# EAGLE board Mk4 Final a Panel score (EAGLE 9.0.1), part 14 of 24 (continued)
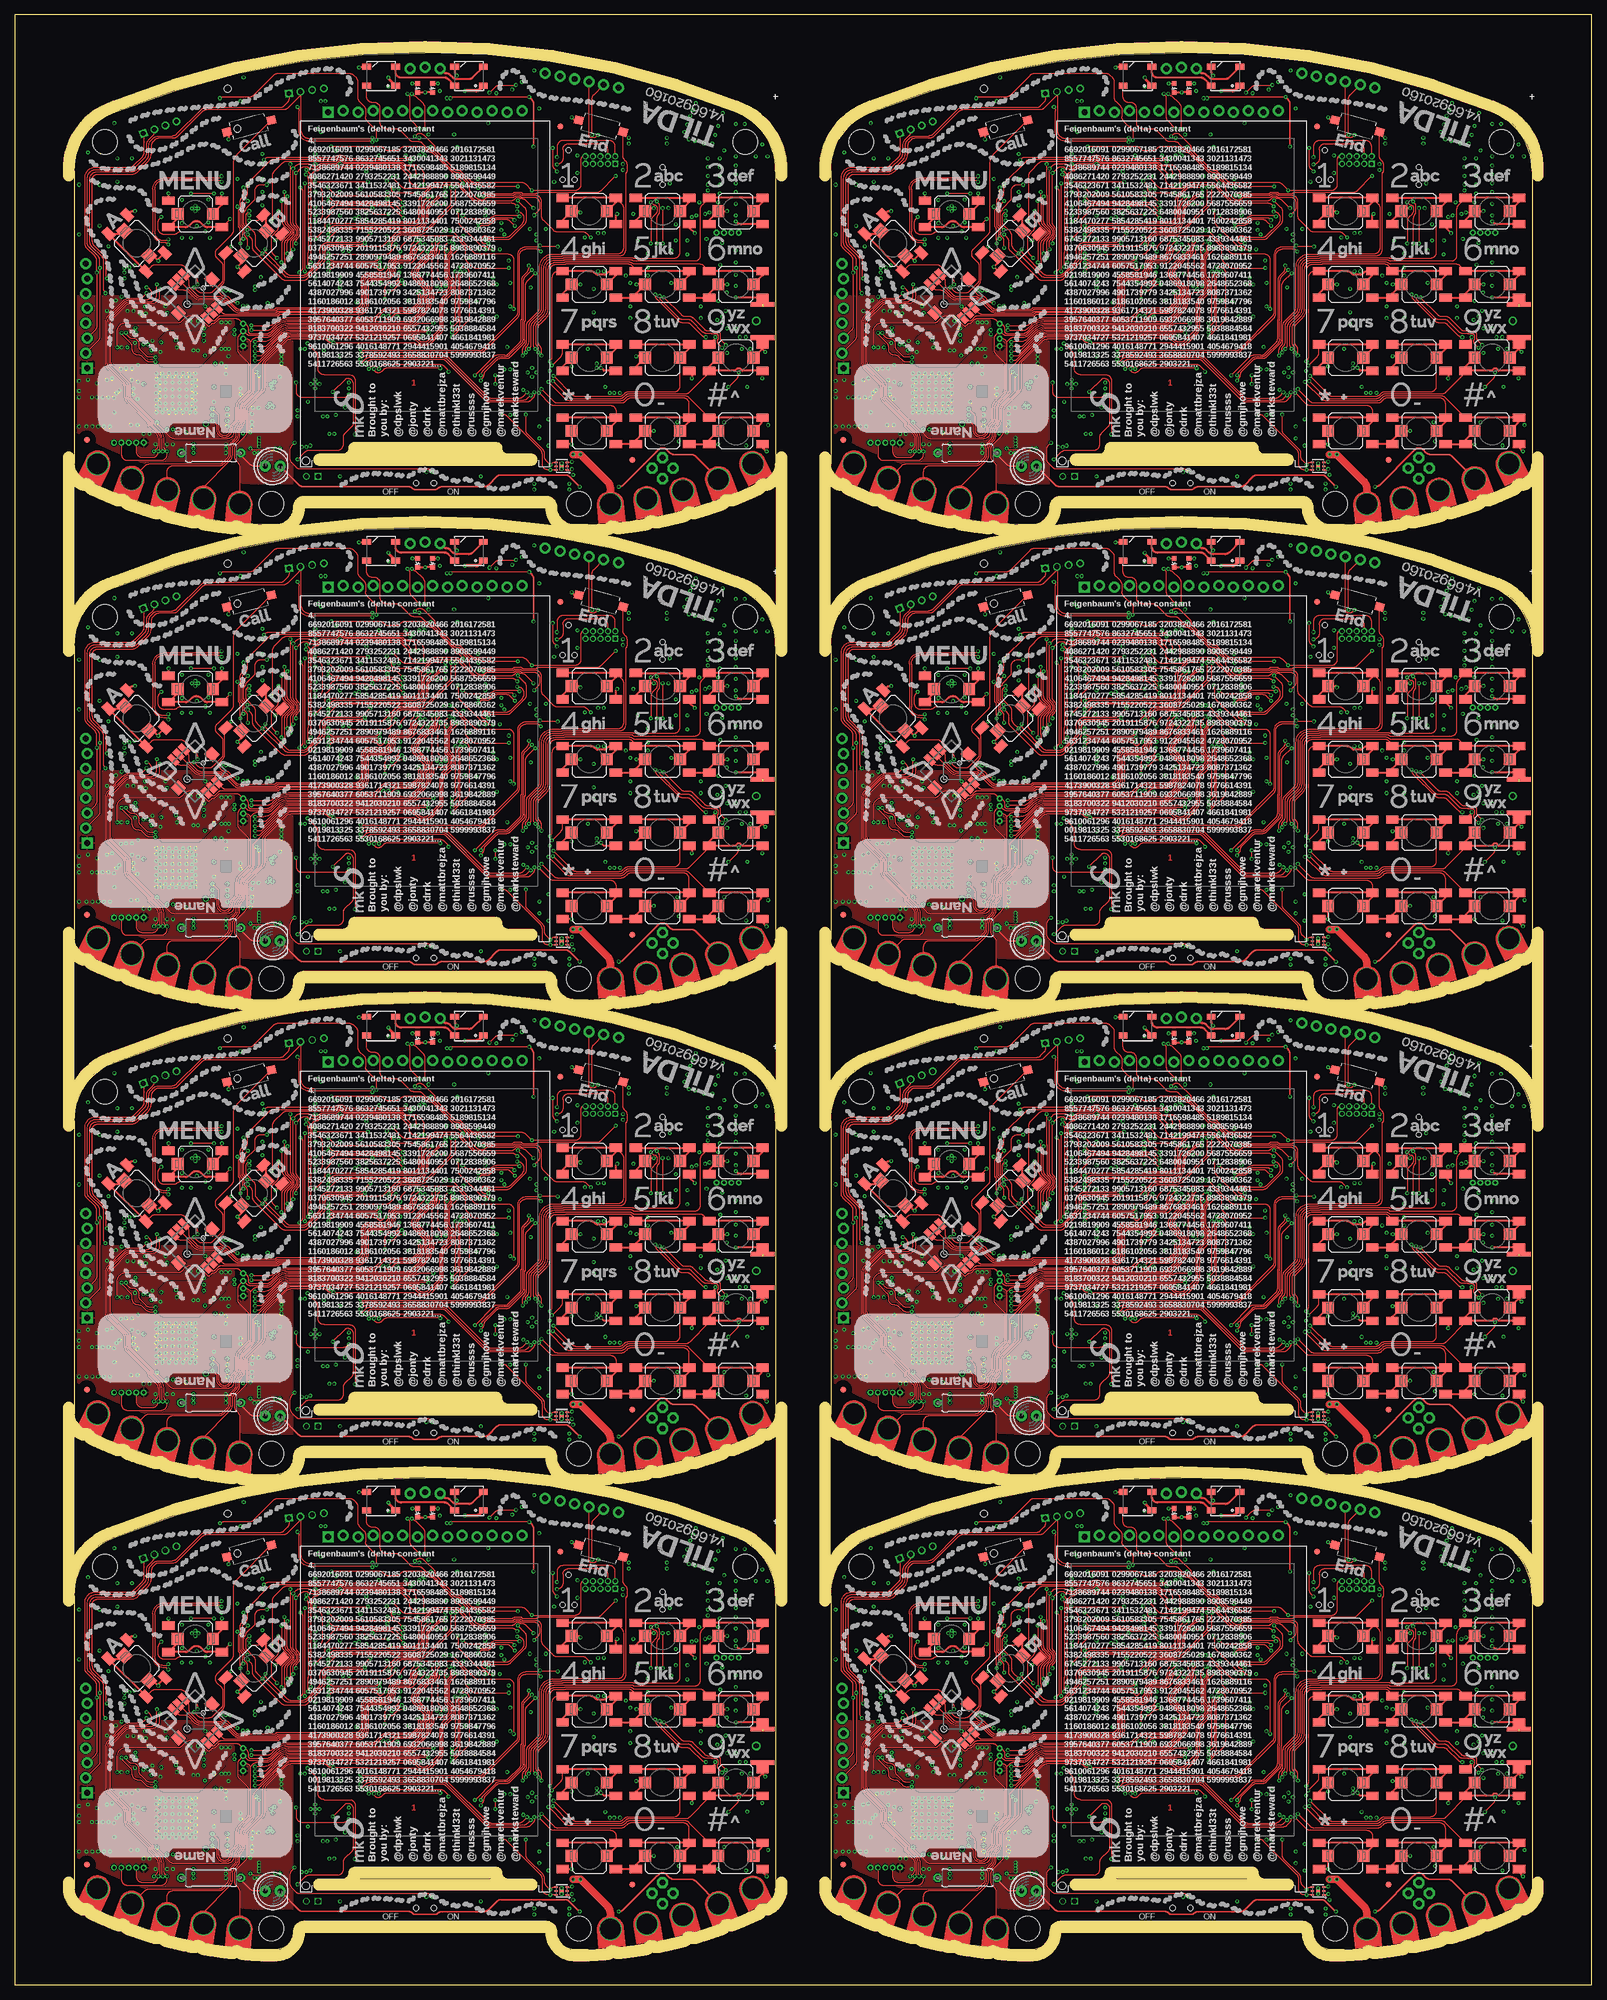
[diagram p0: board, top side]
## Tracks (layer width: path | path; a pad name or v marks a point on that pad's centre or on a via) (continued)
  Bottom 0.15: IC92.73 196,225.21 arc45 196.29,224.51 197.71,223.09 arc-45 198,222.39 198,218.11 arc45 198.29,217.41 198.51,217.19 arc-45 198.8,216.49 arc-45 198.74,216.34 v198.2,215.8
JOY_LEFT6  (via drill 0.3)
  Top 0.15: SW7.C 27.65,289.35 arc45 28.35,289.06 28.86,289.06 arc-45 29.56,288.76 30.53,287.8 arc45 31.59,287.36 34.67,287.36 arc-45 35.02,287.21 35.04,287.2 arc45 35.39,287.05 35.65,287.05 arc-45 36.01,286.9 37.3,285.61 arc45 38.36,285.18 44.44,285.18 arc45 44.83,285.34 44.87,285.38 arc-45 45.05,285.45 58.39,285.45 arc90 59.75,286.81 59.75,290.46 arc-90 60.69,291.4 62.9,291.4 arc90 64.4,292.9 64.4,293.3 arc-90 65.4,294.3 67.04,294.3 arc45 67.39,294.45 68.05,295.11 arc45 68.2,295.46 68.2,295.59 arc-45 68.35,295.95 v69.2,296.8
  Bottom 0.15: IC110.73 67,306.21 arc45 67.29,305.51 68.71,304.09 arc-45 69,303.39 69,299.11 arc45 69.29,298.41 69.51,298.19 arc-45 69.8,297.49 arc-45 69.74,297.34 v69.2,296.8
JOY_LEFT7  (via drill 0.3)
  Top 0.15: SW8.C 156.65,289.35 arc45 157.36,289.06 157.86,289.06 arc-45 158.56,288.76 159.53,287.8 arc45 160.59,287.36 163.67,287.36 arc-45 164.02,287.21 164.04,287.2 arc45 164.39,287.05 164.65,287.05 arc-45 165,286.9 166.3,285.61 arc45 167.36,285.18 173.44,285.18 arc45 173.83,285.34 173.87,285.38 arc-45 174.05,285.45 187.39,285.45 arc90 188.75,286.81 188.75,290.46 arc-90 189.69,291.4 191.9,291.4 arc90 193.4,292.9 193.4,293.3 arc-90 194.4,294.3 196.04,294.3 arc45 196.39,294.45 197.05,295.11 arc45 197.2,295.46 197.2,295.59 arc-45 197.35,295.95 v198.2,296.8
  Bottom 0.15: IC128.73 196,306.21 arc45 196.29,305.51 197.71,304.09 arc-45 198,303.39 198,299.11 arc45 198.29,298.41 198.51,298.19 arc-45 198.8,297.49 arc-45 198.74,297.34 v198.2,296.8
JOY_RIGHT  (via drill 0.3)
  Top 0.15: v69.2,53 69.08,53 arc45 68.73,52.85 68.65,52.77 arc45 68.5,52.42 68.5,52.33 arc-45 68.35,51.98 67.52,51.15 arc-45 67.17,51 65.45,51 arc90 64.7,50.25 64.7,49.85 arc-90 62.95,48.1 60.8,48.1 arc90 60.05,47.35 60.05,43.69 arc-90 58.51,42.15 45.17,42.15 arc45 44.99,42.08 44.86,41.95 arc-45 44.69,41.88 35.94,41.88 arc-45 35.58,42.02 SW1.B | v72,60.6 arc-45 72.24,60.7 v73.3,60.7
  Bottom 0.15: v72,60.6 70.6,60.6 arc90 69.6,59.6 69.6,56.41 arc45 69.89,55.71 70.31,55.29 arc-45 70.6,54.59 70.6,54 arc-90 69.6,53 v69.2,53 | IC1.91 74.2,65.79 74.28,65.72 74.28,65.47 arc-90 73.78,64.97 73.47,64.97 arc90 72.97,64.47 72.97,61.44 arc45 73.27,60.73 v73.3,60.7
JOY_RIGHT1  (via drill 0.3)
  Top 0.15: v198.2,53 198.08,53 arc45 197.73,52.85 197.65,52.77 arc45 197.5,52.42 197.5,52.33 arc-45 197.35,51.98 196.52,51.15 arc-45 196.17,51 194.45,51 arc90 193.7,50.25 193.7,49.85 arc-90 191.95,48.1 189.8,48.1 arc90 189.05,47.35 189.05,43.69 arc-90 187.51,42.15 174.17,42.15 arc45 173.99,42.08 173.86,41.95 arc-45 173.69,41.88 164.94,41.88 arc-45 164.58,42.02 SW2.B | v201,60.6 arc-45 201.24,60.7 v202.3,60.7
  Bottom 0.15: v201,60.6 199.6,60.6 arc90 198.6,59.6 198.6,56.41 arc45 198.89,55.71 199.31,55.29 arc-45 199.6,54.59 199.6,54 arc-90 198.6,53 v198.2,53 | IC20.91 203.2,65.79 203.28,65.72 203.28,65.47 arc-90 202.78,64.97 202.47,64.97 arc90 201.97,64.47 201.97,61.44 arc45 202.27,60.73 v202.3,60.7
JOY_RIGHT2  (via drill 0.3)
  Top 0.15: v69.2,134 69.08,134 arc45 68.73,133.85 68.65,133.77 arc45 68.5,133.42 68.5,133.33 arc-45 68.35,132.98 67.52,132.15 arc-45 67.17,132 65.45,132 arc90 64.7,131.25 64.7,130.85 arc-90 62.95,129.1 60.8,129.1 arc90 60.05,128.35 60.05,124.69 arc-90 58.51,123.15 45.17,123.15 arc45 44.99,123.08 44.86,122.95 arc-45 44.69,122.88 35.94,122.88 arc-45 35.58,123.02 SW3.B | v72,141.6 arc-45 72.24,141.7 v73.3,141.7
  Bottom 0.15: v72,141.6 70.6,141.6 arc90 69.6,140.6 69.6,137.41 arc45 69.89,136.71 70.31,136.29 arc-45 70.6,135.59 70.6,135 arc-90 69.6,134 v69.2,134 | IC38.91 74.2,146.79 74.28,146.72 74.28,146.47 arc-90 73.78,145.97 73.47,145.97 arc90 72.97,145.47 72.97,142.44 arc45 73.27,141.73 v73.3,141.7
JOY_RIGHT3  (via drill 0.3)
  Top 0.15: v198.2,134 198.08,134 arc45 197.73,133.85 197.65,133.77 arc45 197.5,133.42 197.5,133.33 arc-45 197.35,132.98 196.52,132.15 arc-45 196.17,132 194.45,132 arc90 193.7,131.25 193.7,130.85 arc-90 191.95,129.1 189.8,129.1 arc90 189.05,128.35 189.05,124.69 arc-90 187.51,123.15 174.17,123.15 arc45 173.99,123.08 173.86,122.95 arc-45 173.69,122.88 164.94,122.88 arc-45 164.58,123.02 SW4.B | v201,141.6 arc-45 201.24,141.7 v202.3,141.7
  Bottom 0.15: v201,141.6 199.6,141.6 arc90 198.6,140.6 198.6,137.41 arc45 198.89,136.71 199.31,136.29 arc-45 199.6,135.59 199.6,135 arc-90 198.6,134 v198.2,134 | IC56.91 203.2,146.79 203.28,146.72 203.28,146.47 arc-90 202.78,145.97 202.47,145.97 arc90 201.97,145.47 201.97,142.44 arc45 202.27,141.73 v202.3,141.7
JOY_RIGHT4  (via drill 0.3)
  Top 0.15: v69.2,215 69.08,215 arc45 68.73,214.85 68.65,214.77 arc45 68.5,214.42 68.5,214.33 arc-45 68.35,213.98 67.52,213.15 arc-45 67.17,213 65.45,213 arc90 64.7,212.25 64.7,211.85 arc-90 62.95,210.1 60.8,210.1 arc90 60.05,209.35 60.05,205.69 arc-90 58.51,204.15 45.17,204.15 arc45 44.99,204.08 44.86,203.95 arc-45 44.69,203.88 35.94,203.88 arc-45 35.58,204.02 SW5.B | v72,222.6 arc-45 72.24,222.7 v73.3,222.7
  Bottom 0.15: v72,222.6 70.6,222.6 arc90 69.6,221.6 69.6,218.41 arc45 69.89,217.71 70.31,217.29 arc-45 70.6,216.59 70.6,216 arc-90 69.6,215 v69.2,215 | IC74.91 74.2,227.79 74.28,227.72 74.28,227.47 arc-90 73.78,226.97 73.47,226.97 arc90 72.97,226.47 72.97,223.44 arc45 73.27,222.73 v73.3,222.7
JOY_RIGHT5  (via drill 0.3)
  Top 0.15: v198.2,215 198.08,215 arc45 197.73,214.85 197.65,214.77 arc45 197.5,214.42 197.5,214.33 arc-45 197.35,213.98 196.52,213.15 arc-45 196.17,213 194.45,213 arc90 193.7,212.25 193.7,211.85 arc-90 191.95,210.1 189.8,210.1 arc90 189.05,209.35 189.05,205.69 arc-90 187.51,204.15 174.17,204.15 arc45 173.99,204.08 173.86,203.95 arc-45 173.69,203.88 164.94,203.88 arc-45 164.58,204.02 SW6.B | v201,222.6 arc-45 201.24,222.7 v202.3,222.7
  Bottom 0.15: v201,222.6 199.6,222.6 arc90 198.6,221.6 198.6,218.41 arc45 198.89,217.71 199.31,217.29 arc-45 199.6,216.59 199.6,216 arc-90 198.6,215 v198.2,215 | IC92.91 203.2,227.79 203.28,227.72 203.28,227.47 arc-90 202.78,226.97 202.47,226.97 arc90 201.97,226.47 201.97,223.44 arc45 202.27,222.73 v202.3,222.7
JOY_RIGHT6  (via drill 0.3)
  Top 0.15: v69.2,296 69.08,296 arc45 68.73,295.85 68.65,295.77 arc45 68.5,295.42 68.5,295.33 arc-45 68.35,294.98 67.52,294.15 arc-45 67.17,294 65.45,294 arc90 64.7,293.25 64.7,292.85 arc-90 62.95,291.1 60.8,291.1 arc90 60.05,290.35 60.05,286.69 arc-90 58.51,285.15 45.17,285.15 arc45 44.99,285.08 44.86,284.95 arc-45 44.69,284.88 35.94,284.88 arc-45 35.58,285.02 SW7.B | v72,303.6 arc-45 72.24,303.7 v73.3,303.7
  Bottom 0.15: v72,303.6 70.6,303.6 arc90 69.6,302.6 69.6,299.41 arc45 69.89,298.71 70.31,298.29 arc-45 70.6,297.59 70.6,297 arc-90 69.6,296 v69.2,296 | IC110.91 74.2,308.79 74.28,308.72 74.28,308.48 arc-90 73.78,307.98 73.47,307.98 arc90 72.97,307.48 72.97,304.44 arc45 73.27,303.73 v73.3,303.7
JOY_RIGHT7  (via drill 0.3)
  Top 0.15: v198.2,296 198.08,296 arc45 197.73,295.85 197.65,295.77 arc45 197.5,295.42 197.5,295.33 arc-45 197.35,294.98 196.52,294.15 arc-45 196.17,294 194.45,294 arc90 193.7,293.25 193.7,292.85 arc-90 191.95,291.1 189.8,291.1 arc90 189.05,290.35 189.05,286.69 arc-90 187.51,285.15 174.17,285.15 arc45 173.99,285.08 173.86,284.95 arc-45 173.69,284.88 164.94,284.88 arc-45 164.58,285.02 SW8.B | v201,303.6 arc-45 201.24,303.7 v202.3,303.7
  Bottom 0.15: v201,303.6 199.6,303.6 arc90 198.6,302.6 198.6,299.41 arc45 198.89,298.71 199.31,298.29 arc-45 199.6,297.59 199.6,297 arc-90 198.6,296 v198.2,296 | IC128.91 203.2,308.79 203.28,308.72 203.28,308.48 arc-90 202.78,307.98 202.47,307.98 arc90 201.97,307.48 201.97,304.44 arc45 202.27,303.73 v202.3,303.7
JOY_UP  (via drill 0.3)
  Top 0.15: SW1.A 29.4,48.2 arc-45 29.69,47.49 29.69,47 arc45 29.99,46.29 31.02,45.25 arc45 31.73,44.96 34.92,44.96 arc-45 35.27,44.81 35.29,44.8 arc45 35.64,44.65 35.9,44.65 arc-45 36.25,44.5 37.69,43.07 arc45 38.4,42.77 44.31,42.77 arc45 44.49,42.85 44.62,42.98 arc-45 44.8,43.05 58.15,43.05 arc90 59.15,44.05 59.15,47.72 arc-90 60.43,49 62.8,49 arc90 63.8,50 63.8,50.4 arc-90 65.3,51.9 66.79,51.9 arc45 67.15,52.05 67.45,52.35 arc45 67.6,52.71 67.6,53.59 arc-45 67.75,53.95 v68.4,54.6
  Bottom 0.15: IC1.71 66.2,62.81 arc45 66.49,62.11 68.11,60.49 arc-45 68.4,59.79 v68.4,54.6
JOY_UP1  (via drill 0.3)
  Top 0.15: SW2.A 158.4,48.2 arc-45 158.69,47.49 158.69,47 arc45 158.99,46.29 160.02,45.25 arc45 160.73,44.96 163.92,44.96 arc-45 164.27,44.81 164.29,44.8 arc45 164.64,44.65 164.9,44.65 arc-45 165.25,44.5 166.69,43.07 arc45 167.4,42.77 173.31,42.77 arc45 173.49,42.85 173.62,42.98 arc-45 173.8,43.05 187.15,43.05 arc90 188.15,44.05 188.15,47.72 arc-90 189.43,49 191.8,49 arc90 192.8,50 192.8,50.4 arc-90 194.3,51.9 195.79,51.9 arc45 196.15,52.05 196.45,52.35 arc45 196.6,52.71 196.6,53.59 arc-45 196.75,53.95 v197.4,54.6
  Bottom 0.15: IC20.71 195.2,62.81 arc45 195.49,62.11 197.11,60.49 arc-45 197.4,59.79 v197.4,54.6
JOY_UP2  (via drill 0.3)
  Top 0.15: SW3.A 29.4,129.2 arc-45 29.69,128.5 29.69,128 arc45 29.99,127.29 31.02,126.25 arc45 31.73,125.96 34.92,125.96 arc-45 35.27,125.81 35.29,125.8 arc45 35.64,125.65 35.9,125.65 arc-45 36.25,125.5 37.69,124.07 arc45 38.4,123.78 44.31,123.78 arc45 44.49,123.85 44.62,123.98 arc-45 44.8,124.05 58.15,124.05 arc90 59.15,125.05 59.15,128.72 arc-90 60.43,130 62.8,130 arc90 63.8,131 63.8,131.4 arc-90 65.3,132.9 66.79,132.9 arc45 67.15,133.05 67.45,133.35 arc45 67.6,133.71 67.6,134.59 arc-45 67.75,134.95 v68.4,135.6
  Bottom 0.15: IC38.71 66.2,143.81 arc45 66.49,143.11 68.11,141.49 arc-45 68.4,140.79 v68.4,135.6
JOY_UP3  (via drill 0.3)
  Top 0.15: SW4.A 158.4,129.2 arc-45 158.69,128.5 158.69,128 arc45 158.99,127.29 160.02,126.25 arc45 160.73,125.96 163.92,125.96 arc-45 164.27,125.81 164.29,125.8 arc45 164.64,125.65 164.9,125.65 arc-45 165.25,125.5 166.69,124.07 arc45 167.4,123.78 173.31,123.78 arc45 173.49,123.85 173.62,123.98 arc-45 173.8,124.05 187.15,124.05 arc90 188.15,125.05 188.15,128.72 arc-90 189.43,130 191.8,130 arc90 192.8,131 192.8,131.4 arc-90 194.3,132.9 195.79,132.9 arc45 196.15,133.05 196.45,133.35 arc45 196.6,133.71 196.6,134.59 arc-45 196.75,134.95 v197.4,135.6
  Bottom 0.15: IC56.71 195.2,143.81 arc45 195.49,143.11 197.11,141.49 arc-45 197.4,140.79 v197.4,135.6
JOY_UP4  (via drill 0.3)
  Top 0.15: SW5.A 29.4,210.2 arc-45 29.69,209.5 29.69,209 arc45 29.99,208.29 31.02,207.25 arc45 31.73,206.96 34.92,206.96 arc-45 35.27,206.81 35.29,206.8 arc45 35.64,206.65 35.9,206.65 arc-45 36.25,206.5 37.69,205.07 arc45 38.4,204.78 44.31,204.78 arc45 44.49,204.85 44.62,204.98 arc-45 44.8,205.05 58.15,205.05 arc90 59.15,206.05 59.15,209.72 arc-90 60.43,211 62.8,211 arc90 63.8,212 63.8,212.4 arc-90 65.3,213.9 66.79,213.9 arc45 67.15,214.05 67.45,214.35 arc45 67.6,214.71 67.6,215.59 arc-45 67.75,215.95 v68.4,216.6
  Bottom 0.15: IC74.71 66.2,224.81 arc45 66.49,224.11 68.11,222.49 arc-45 68.4,221.79 v68.4,216.6
JOY_UP5  (via drill 0.3)
  Top 0.15: SW6.A 158.4,210.2 arc-45 158.69,209.5 158.69,209 arc45 158.99,208.29 160.02,207.25 arc45 160.73,206.96 163.92,206.96 arc-45 164.27,206.81 164.29,206.8 arc45 164.64,206.65 164.9,206.65 arc-45 165.25,206.5 166.69,205.07 arc45 167.4,204.78 173.31,204.78 arc45 173.49,204.85 173.62,204.98 arc-45 173.8,205.05 187.15,205.05 arc90 188.15,206.05 188.15,209.72 arc-90 189.43,211 191.8,211 arc90 192.8,212 192.8,212.4 arc-90 194.3,213.9 195.79,213.9 arc45 196.15,214.05 196.45,214.35 arc45 196.6,214.71 196.6,215.59 arc-45 196.75,215.95 v197.4,216.6
  Bottom 0.15: IC92.71 195.2,224.81 arc45 195.49,224.11 197.11,222.49 arc-45 197.4,221.79 v197.4,216.6
JOY_UP6  (via drill 0.3)
  Top 0.15: SW7.A 29.4,291.2 arc-45 29.69,290.5 29.69,290 arc45 29.99,289.29 31.02,288.25 arc45 31.73,287.96 34.92,287.96 arc-45 35.27,287.81 35.29,287.8 arc45 35.64,287.65 35.9,287.65 arc-45 36.25,287.5 37.69,286.07 arc45 38.4,285.77 44.31,285.77 arc45 44.49,285.85 44.62,285.98 arc-45 44.8,286.05 58.15,286.05 arc90 59.15,287.05 59.15,290.72 arc-90 60.43,292 62.8,292 arc90 63.8,293 63.8,293.4 arc-90 65.3,294.9 66.79,294.9 arc45 67.15,295.05 67.45,295.35 arc45 67.6,295.71 67.6,296.59 arc-45 67.75,296.95 v68.4,297.6
  Bottom 0.15: IC110.71 66.2,305.81 arc45 66.49,305.11 68.11,303.49 arc-45 68.4,302.79 v68.4,297.6
JOY_UP7  (via drill 0.3)
  Top 0.15: SW8.A 158.4,291.2 arc-45 158.69,290.5 158.69,290 arc45 158.99,289.29 160.02,288.25 arc45 160.73,287.96 163.92,287.96 arc-45 164.27,287.81 164.29,287.8 arc45 164.64,287.65 164.9,287.65 arc-45 165.25,287.5 166.69,286.07 arc45 167.4,285.77 173.31,285.77 arc45 173.49,285.85 173.62,285.98 arc-45 173.8,286.05 187.15,286.05 arc90 188.15,287.05 188.15,290.72 arc-90 189.43,292 191.8,292 arc90 192.8,293 192.8,293.4 arc-90 194.3,294.9 195.79,294.9 arc45 196.15,295.05 196.45,295.35 arc45 196.6,295.71 196.6,296.59 arc-45 196.75,296.95 v197.4,297.6
  Bottom 0.15: IC128.71 195.2,305.81 arc45 195.49,305.11 197.11,303.49 arc-45 197.4,302.79 v197.4,297.6
LCD_!RST  (via drill 0.3)
  Top 0.15: v75.6,59.6 75.6,57.91 arc45 75.89,57.21 79.43,53.67 arc45 79.78,53.52 80.26,53.52 arc-45 80.61,53.38 80.95,53.05 arc45 81.3,52.9 v81.6,52.9
  Bottom 0.15: IC1.111 v75.6,59.6 | v81.6,52.9 82.01,52.49 arc-45 82.3,51.79 82.3,48.21 arc-45 82.01,47.5 81.87,47.36 arc45 81.72,47.01 81.72,46.9 arc-90 81.22,46.4 78.75,46.4 arc90 77.75,45.4 J2.10
LCD_!RST1  (via drill 0.3)
  Top 0.15: v204.6,59.6 204.6,57.91 arc45 204.89,57.21 208.43,53.67 arc45 208.78,53.52 209.26,53.52 arc-45 209.61,53.38 209.95,53.05 arc45 210.3,52.9 v210.6,52.9
  Bottom 0.15: IC20.111 v204.6,59.6 | v210.6,52.9 211.01,52.49 arc-45 211.3,51.79 211.3,48.21 arc-45 211.01,47.5 210.87,47.36 arc45 210.72,47.01 210.72,46.9 arc-90 210.22,46.4 207.75,46.4 arc90 206.75,45.4 J6.10
LCD_!RST2  (via drill 0.3)
  Top 0.15: v75.6,140.6 75.6,138.91 arc45 75.89,138.21 79.43,134.67 arc45 79.78,134.53 80.26,134.53 arc-45 80.61,134.38 80.95,134.05 arc45 81.3,133.9 v81.6,133.9
  Bottom 0.15: IC38.111 v75.6,140.6 | v81.6,133.9 82.01,133.49 arc-45 82.3,132.79 82.3,129.21 arc-45 82.01,128.5 81.87,128.36 arc45 81.72,128.01 81.72,127.9 arc-90 81.22,127.4 78.75,127.4 arc90 77.75,126.4 J21.10
LCD_!RST3  (via drill 0.3)
  Top 0.15: v204.6,140.6 204.6,138.91 arc45 204.89,138.21 208.43,134.67 arc45 208.78,134.53 209.26,134.53 arc-45 209.61,134.38 209.95,134.05 arc45 210.3,133.9 v210.6,133.9
  Bottom 0.15: IC56.111 v204.6,140.6 | v210.6,133.9 211.01,133.49 arc-45 211.3,132.79 211.3,129.21 arc-45 211.01,128.5 210.87,128.36 arc45 210.72,128.01 210.72,127.9 arc-90 210.22,127.4 207.75,127.4 arc90 206.75,126.4 J31.10
LCD_!RST4  (via drill 0.3)
  Top 0.15: v75.6,221.6 75.6,219.91 arc45 75.89,219.21 79.43,215.67 arc45 79.78,215.53 80.26,215.53 arc-45 80.61,215.38 80.95,215.05 arc45 81.3,214.9 v81.6,214.9
  Bottom 0.15: IC74.111 v75.6,221.6 | v81.6,214.9 82.01,214.49 arc-45 82.3,213.79 82.3,210.21 arc-45 82.01,209.5 81.87,209.36 arc45 81.72,209.01 81.72,208.9 arc-90 81.22,208.4 78.75,208.4 arc90 77.75,207.4 J41.10
LCD_!RST5  (via drill 0.3)
  Top 0.15: v204.6,221.6 204.6,219.91 arc45 204.89,219.21 208.43,215.67 arc45 208.78,215.53 209.26,215.53 arc-45 209.61,215.38 209.95,215.05 arc45 210.3,214.9 v210.6,214.9
  Bottom 0.15: IC92.111 v204.6,221.6 | v210.6,214.9 211.01,214.49 arc-45 211.3,213.79 211.3,210.21 arc-45 211.01,209.5 210.87,209.36 arc45 210.72,209.01 210.72,208.9 arc-90 210.22,208.4 207.75,208.4 arc90 206.75,207.4 J51.10
LCD_!RST6  (via drill 0.3)
  Top 0.15: v75.6,302.6 75.6,300.91 arc45 75.89,300.21 79.43,296.67 arc45 79.78,296.52 80.26,296.52 arc-45 80.61,296.38 80.95,296.05 arc45 81.3,295.9 v81.6,295.9
  Bottom 0.15: IC110.111 v75.6,302.6 | v81.6,295.9 82.01,295.49 arc-45 82.3,294.79 82.3,291.21 arc-45 82.01,290.5 81.87,290.36 arc45 81.72,290.01 81.72,289.9 arc-90 81.22,289.4 78.75,289.4 arc90 77.75,288.4 J61.10
LCD_!RST7  (via drill 0.3)
  Top 0.15: v204.6,302.6 204.6,300.91 arc45 204.89,300.21 208.43,296.67 arc45 208.78,296.52 209.26,296.52 arc-45 209.61,296.38 209.95,296.05 arc45 210.3,295.9 v210.6,295.9
  Bottom 0.15: IC128.111 v204.6,302.6 | v210.6,295.9 211.01,295.49 arc-45 211.3,294.79 211.3,291.21 arc-45 211.01,290.5 210.87,290.36 arc45 210.72,290.01 210.72,289.9 arc-90 210.22,289.4 207.75,289.4 arc90 206.75,288.4 J71.10
LCD_DCX
  Bottom 0.15: J2.36 64.75,43.89 arc-45 65.04,44.59 65.21,44.76 arc45 65.5,45.46 65.5,47.69 arc-45 65.65,48.05 66.65,49.05 arc-45 67.01,49.2 67.14,49.2 arc45 67.5,49.35 68.45,50.3 arc45 68.6,50.66 IC1.20
LCD_DCX1
  Bottom 0.15: J6.36 193.75,43.89 arc-45 194.04,44.59 194.21,44.76 arc45 194.5,45.46 194.5,47.69 arc-45 194.65,48.05 195.65,49.05 arc-45 196.01,49.2 196.14,49.2 arc45 196.5,49.35 197.45,50.3 arc45 197.6,50.66 IC20.20
LCD_DCX2
  Bottom 0.15: J21.36 64.75,124.89 arc-45 65.04,125.59 65.21,125.76 arc45 65.5,126.46 65.5,128.69 arc-45 65.65,129.05 66.65,130.05 arc-45 67.01,130.2 67.14,130.2 arc45 67.5,130.35 68.45,131.3 arc45 68.6,131.66 IC38.20
LCD_DCX3
  Bottom 0.15: J31.36 193.75,124.89 arc-45 194.04,125.59 194.21,125.76 arc45 194.5,126.46 194.5,128.69 arc-45 194.65,129.05 195.65,130.05 arc-45 196.01,130.2 196.14,130.2 arc45 196.5,130.35 197.45,131.3 arc45 197.6,131.66 IC56.20
LCD_DCX4
  Bottom 0.15: J41.36 64.75,205.89 arc-45 65.04,206.59 65.21,206.76 arc45 65.5,207.46 65.5,209.69 arc-45 65.65,210.05 66.65,211.05 arc-45 67.01,211.2 67.14,211.2 arc45 67.5,211.35 68.45,212.3 arc45 68.6,212.66 IC74.20
LCD_DCX5
  Bottom 0.15: J51.36 193.75,205.89 arc-45 194.04,206.59 194.21,206.76 arc45 194.5,207.46 194.5,209.69 arc-45 194.65,210.05 195.65,211.05 arc-45 196.01,211.2 196.14,211.2 arc45 196.5,211.35 197.45,212.3 arc45 197.6,212.66 IC92.20
LCD_DCX6
  Bottom 0.15: J61.36 64.75,286.89 arc-45 65.04,287.59 65.21,287.76 arc45 65.5,288.46 65.5,290.69 arc-45 65.65,291.05 66.65,292.05 arc-45 67.01,292.2 67.14,292.2 arc45 67.5,292.35 68.45,293.3 arc45 68.6,293.66 IC110.20
LCD_DCX7
  Bottom 0.15: J71.36 193.75,286.89 arc-45 194.04,287.59 194.21,287.76 arc45 194.5,288.46 194.5,290.69 arc-45 194.65,291.05 195.65,292.05 arc-45 196.01,292.2 196.14,292.2 arc45 196.5,292.35 197.45,293.3 arc45 197.6,293.66 IC128.20
LCD_TEAR  (via drill 0.3)
  Top 0.15: v63.15,44.5 63.15,46.19 arc-45 63.44,46.89 63.76,47.21 arc-45 64.46,47.5 64.59,47.5 arc45 65.29,47.79 65.31,47.81 arc45 65.6,48.51 v65.6,49
  Bottom 0.15: J2.39 63.25,44.26 arc45 v63.15,44.5 | IC1.21 68.2,50.68 arc-45 68.05,50.33 67.37,49.65 arc-45 67.02,49.5 66.88,49.5 arc45 66.53,49.35 66.32,49.15 arc-45 65.97,49 v65.6,49
LCD_TEAR1  (via drill 0.3)
  Top 0.15: v192.15,44.5 192.15,46.19 arc-45 192.44,46.89 192.76,47.21 arc-45 193.46,47.5 193.59,47.5 arc45 194.29,47.79 194.31,47.81 arc45 194.6,48.51 v194.6,49
  Bottom 0.15: J6.39 192.25,44.26 arc45 v192.15,44.5 | IC20.21 197.2,50.68 arc-45 197.05,50.33 196.37,49.65 arc-45 196.02,49.5 195.88,49.5 arc45 195.53,49.35 195.32,49.15 arc-45 194.97,49 v194.6,49
LCD_TEAR2  (via drill 0.3)
  Top 0.15: v63.15,125.5 63.15,127.19 arc-45 63.44,127.89 63.76,128.21 arc-45 64.46,128.5 64.59,128.5 arc45 65.29,128.79 65.31,128.81 arc45 65.6,129.51 v65.6,130
  Bottom 0.15: J21.39 63.25,125.26 arc45 v63.15,125.5 | IC38.21 68.2,131.68 arc-45 68.05,131.33 67.37,130.65 arc-45 67.02,130.5 66.88,130.5 arc45 66.53,130.35 66.32,130.15 arc-45 65.97,130 v65.6,130
LCD_TEAR3  (via drill 0.3)
  Top 0.15: v192.15,125.5 192.15,127.19 arc-45 192.44,127.89 192.76,128.21 arc-45 193.46,128.5 193.59,128.5 arc45 194.29,128.79 194.31,128.81 arc45 194.6,129.51 v194.6,130
  Bottom 0.15: J31.39 192.25,125.26 arc45 v192.15,125.5 | IC56.21 197.2,131.68 arc-45 197.05,131.33 196.37,130.65 arc-45 196.02,130.5 195.88,130.5 arc45 195.53,130.35 195.32,130.15 arc-45 194.97,130 v194.6,130
LCD_TEAR4  (via drill 0.3)
  Top 0.15: v63.15,206.5 63.15,208.19 arc-45 63.44,208.89 63.76,209.21 arc-45 64.46,209.5 64.59,209.5 arc45 65.29,209.79 65.31,209.81 arc45 65.6,210.51 v65.6,211
  Bottom 0.15: J41.39 63.25,206.26 arc45 v63.15,206.5 | IC74.21 68.2,212.68 arc-45 68.05,212.33 67.37,211.65 arc-45 67.02,211.5 66.88,211.5 arc45 66.53,211.35 66.32,211.15 arc-45 65.97,211 v65.6,211
LCD_TEAR5  (via drill 0.3)
  Top 0.15: v192.15,206.5 192.15,208.19 arc-45 192.44,208.89 192.76,209.21 arc-45 193.46,209.5 193.59,209.5 arc45 194.29,209.79 194.31,209.81 arc45 194.6,210.51 v194.6,211
  Bottom 0.15: J51.39 192.25,206.26 arc45 v192.15,206.5 | IC92.21 197.2,212.68 arc-45 197.05,212.33 196.37,211.65 arc-45 196.02,211.5 195.88,211.5 arc45 195.53,211.35 195.32,211.15 arc-45 194.97,211 v194.6,211
LCD_TEAR6  (via drill 0.3)
  Top 0.15: v63.15,287.5 63.15,289.19 arc-45 63.44,289.89 63.76,290.21 arc-45 64.46,290.5 64.59,290.5 arc45 65.29,290.79 65.31,290.81 arc45 65.6,291.51 v65.6,292
  Bottom 0.15: J61.39 63.25,287.26 arc45 v63.15,287.5 | IC110.21 68.2,293.68 arc-45 68.05,293.33 67.37,292.65 arc-45 67.02,292.5 66.88,292.5 arc45 66.53,292.35 66.32,292.15 arc-45 65.97,292 v65.6,292
LCD_TEAR7  (via drill 0.3)
  Top 0.15: v192.15,287.5 192.15,289.19 arc-45 192.44,289.89 192.76,290.21 arc-45 193.46,290.5 193.59,290.5 arc45 194.29,290.79 194.31,290.81 arc45 194.6,291.51 v194.6,292
  Bottom 0.15: J71.39 192.25,287.26 arc45 v192.15,287.5 | IC128.21 197.2,293.68 arc-45 197.05,293.33 196.37,292.65 arc-45 196.02,292.5 195.88,292.5 arc45 195.53,292.35 195.32,292.15 arc-45 194.97,292 v194.6,292
LED1  (via drill 0.3)
  Top 0.15: v70,73.5 70,77.09 arc45 69.71,77.79 68.38,79.12 68.24,79.12 67.86,79.5 v67.75,79.5
  Bottom 0.15: IC1.86 72.2,67.22 arc90 71.5,67.92 arc-90 71,68.42 71,69.29 arc45 70.71,69.99 70.29,70.41 arc-45 70,71.11 v70,73.5 | R12.2 70.79,79.52 arc-45 70.08,79.22 68.03,79.22 v67.75,79.5
LED1_R  (via drill 0.3)
  Top 0.25: LED3.A v72.17,81.25
  Bottom 0.3: R12.1 71.52,81.25 v72.17,81.25
LED1_R1  (via drill 0.3)
  Top 0.25: LED9.A v201.17,81.25
  Bottom 0.3: R83.1 200.52,81.25 v201.17,81.25
LED1_R2  (via drill 0.3)
  Top 0.25: LED15.A v72.17,162.25
  Bottom 0.3: R161.1 71.52,162.25 v72.17,162.25
LED1_R3  (via drill 0.3)
  Top 0.25: LED21.A v201.17,162.25
  Bottom 0.3: R239.1 200.52,162.25 v201.17,162.25
LED1_R4  (via drill 0.3)
  Top 0.25: LED27.A v72.17,243.25
  Bottom 0.3: R317.1 71.52,243.25 v72.17,243.25
LED1_R5  (via drill 0.3)
  Top 0.25: LED33.A v201.17,243.25
  Bottom 0.3: R395.1 200.52,243.25 v201.17,243.25
LED1_R6  (via drill 0.3)
  Top 0.25: LED39.A v72.17,324.25
  Bottom 0.3: R473.1 71.52,324.25 v72.17,324.25
LED1_R7  (via drill 0.3)
  Top 0.25: LED45.A v201.17,324.25
  Bottom 0.3: R551.1 200.52,324.25 v201.17,324.25
LED2  (via drill 0.3)
  Top 0.15: v69,73.55 67.75,74.8 arc-45 67.46,75.5 67.46,79.04 v67,79.5
  Bottom 0.15: IC1.85 71.8,67.33 arc90 71.5,67.62 71.2,67.62 arc-90 70.7,68.12 70.7,69.14 arc45 70.41,69.84 69.99,70.26 arc-45 69.7,70.96 69.7,72.14 arc45 69.41,72.84 69.21,73.04 arc-45 v69,73.55 | R14.2 67.99,80 67.97,80.03 67.73,80.03 arc45 67.38,79.88 v67,79.5
LED2_R  (via drill 0.3)
  Top 0.25: LED4.A v67.83,81.25
  Bottom 0.25: v67.83,81.25 67.9,81.25 68.48,81.25 R14.1
LED2_R1  (via drill 0.3)
  Top 0.25: LED10.A v196.83,81.25
  Bottom 0.25: v196.83,81.25 196.9,81.25 197.48,81.25 R84.1
LED2_R2  (via drill 0.3)
  Top 0.25: LED16.A v67.83,162.25
  Bottom 0.25: v67.83,162.25 67.9,162.25 68.48,162.25 R162.1
LED2_R3  (via drill 0.3)
  Top 0.25: LED22.A v196.83,162.25
  Bottom 0.25: v196.83,162.25 196.9,162.25 197.48,162.25 R240.1
LED2_R4  (via drill 0.3)
  Top 0.25: LED28.A v67.83,243.25
  Bottom 0.25: v67.83,243.25 67.9,243.25 68.48,243.25 R318.1
LED2_R5  (via drill 0.3)
  Top 0.25: LED34.A v196.83,243.25
  Bottom 0.25: v196.83,243.25 196.9,243.25 197.48,243.25 R396.1
LED2_R6  (via drill 0.3)
  Top 0.25: LED40.A v67.83,324.25
  Bottom 0.25: v67.83,324.25 67.9,324.25 68.48,324.25 R474.1
LED2_R7  (via drill 0.3)
  Top 0.25: LED46.A v196.83,324.25
  Bottom 0.25: v196.83,324.25 196.9,324.25 197.48,324.25 R552.1
LED3  (via drill 0.3)
  Top 0.15: v199,73.5 199,77.09 arc45 198.71,77.79 197.38,79.12 197.24,79.12 196.86,79.5 v196.75,79.5
  Bottom 0.15: IC20.86 201.2,67.22 arc90 200.5,67.92 arc-90 200,68.42 200,69.29 arc45 199.71,69.99 199.29,70.41 arc-45 199,71.11 v199,73.5 | R83.2 199.79,79.52 arc-45 199.08,79.22 197.03,79.22 v196.75,79.5
LED4  (via drill 0.3)
  Top 0.15: v198,73.55 196.75,74.8 arc-45 196.46,75.5 196.46,79.04 v196,79.5
  Bottom 0.15: IC20.85 200.8,67.33 arc90 200.5,67.62 200.2,67.62 arc-90 199.7,68.12 199.7,69.14 arc45 199.41,69.84 198.99,70.26 arc-45 198.7,70.96 198.7,72.14 arc45 198.41,72.84 198.21,73.04 arc-45 v198,73.55 | R84.2 196.99,80 196.97,80.03 196.73,80.03 arc45 196.38,79.88 v196,79.5
LED5  (via drill 0.3)
  Top 0.15: v70,154.5 70,158.09 arc45 69.71,158.79 68.38,160.12 68.24,160.12 67.86,160.5 v67.75,160.5